# KiCad board ulx4m_panel.kicad_pcb (continued)
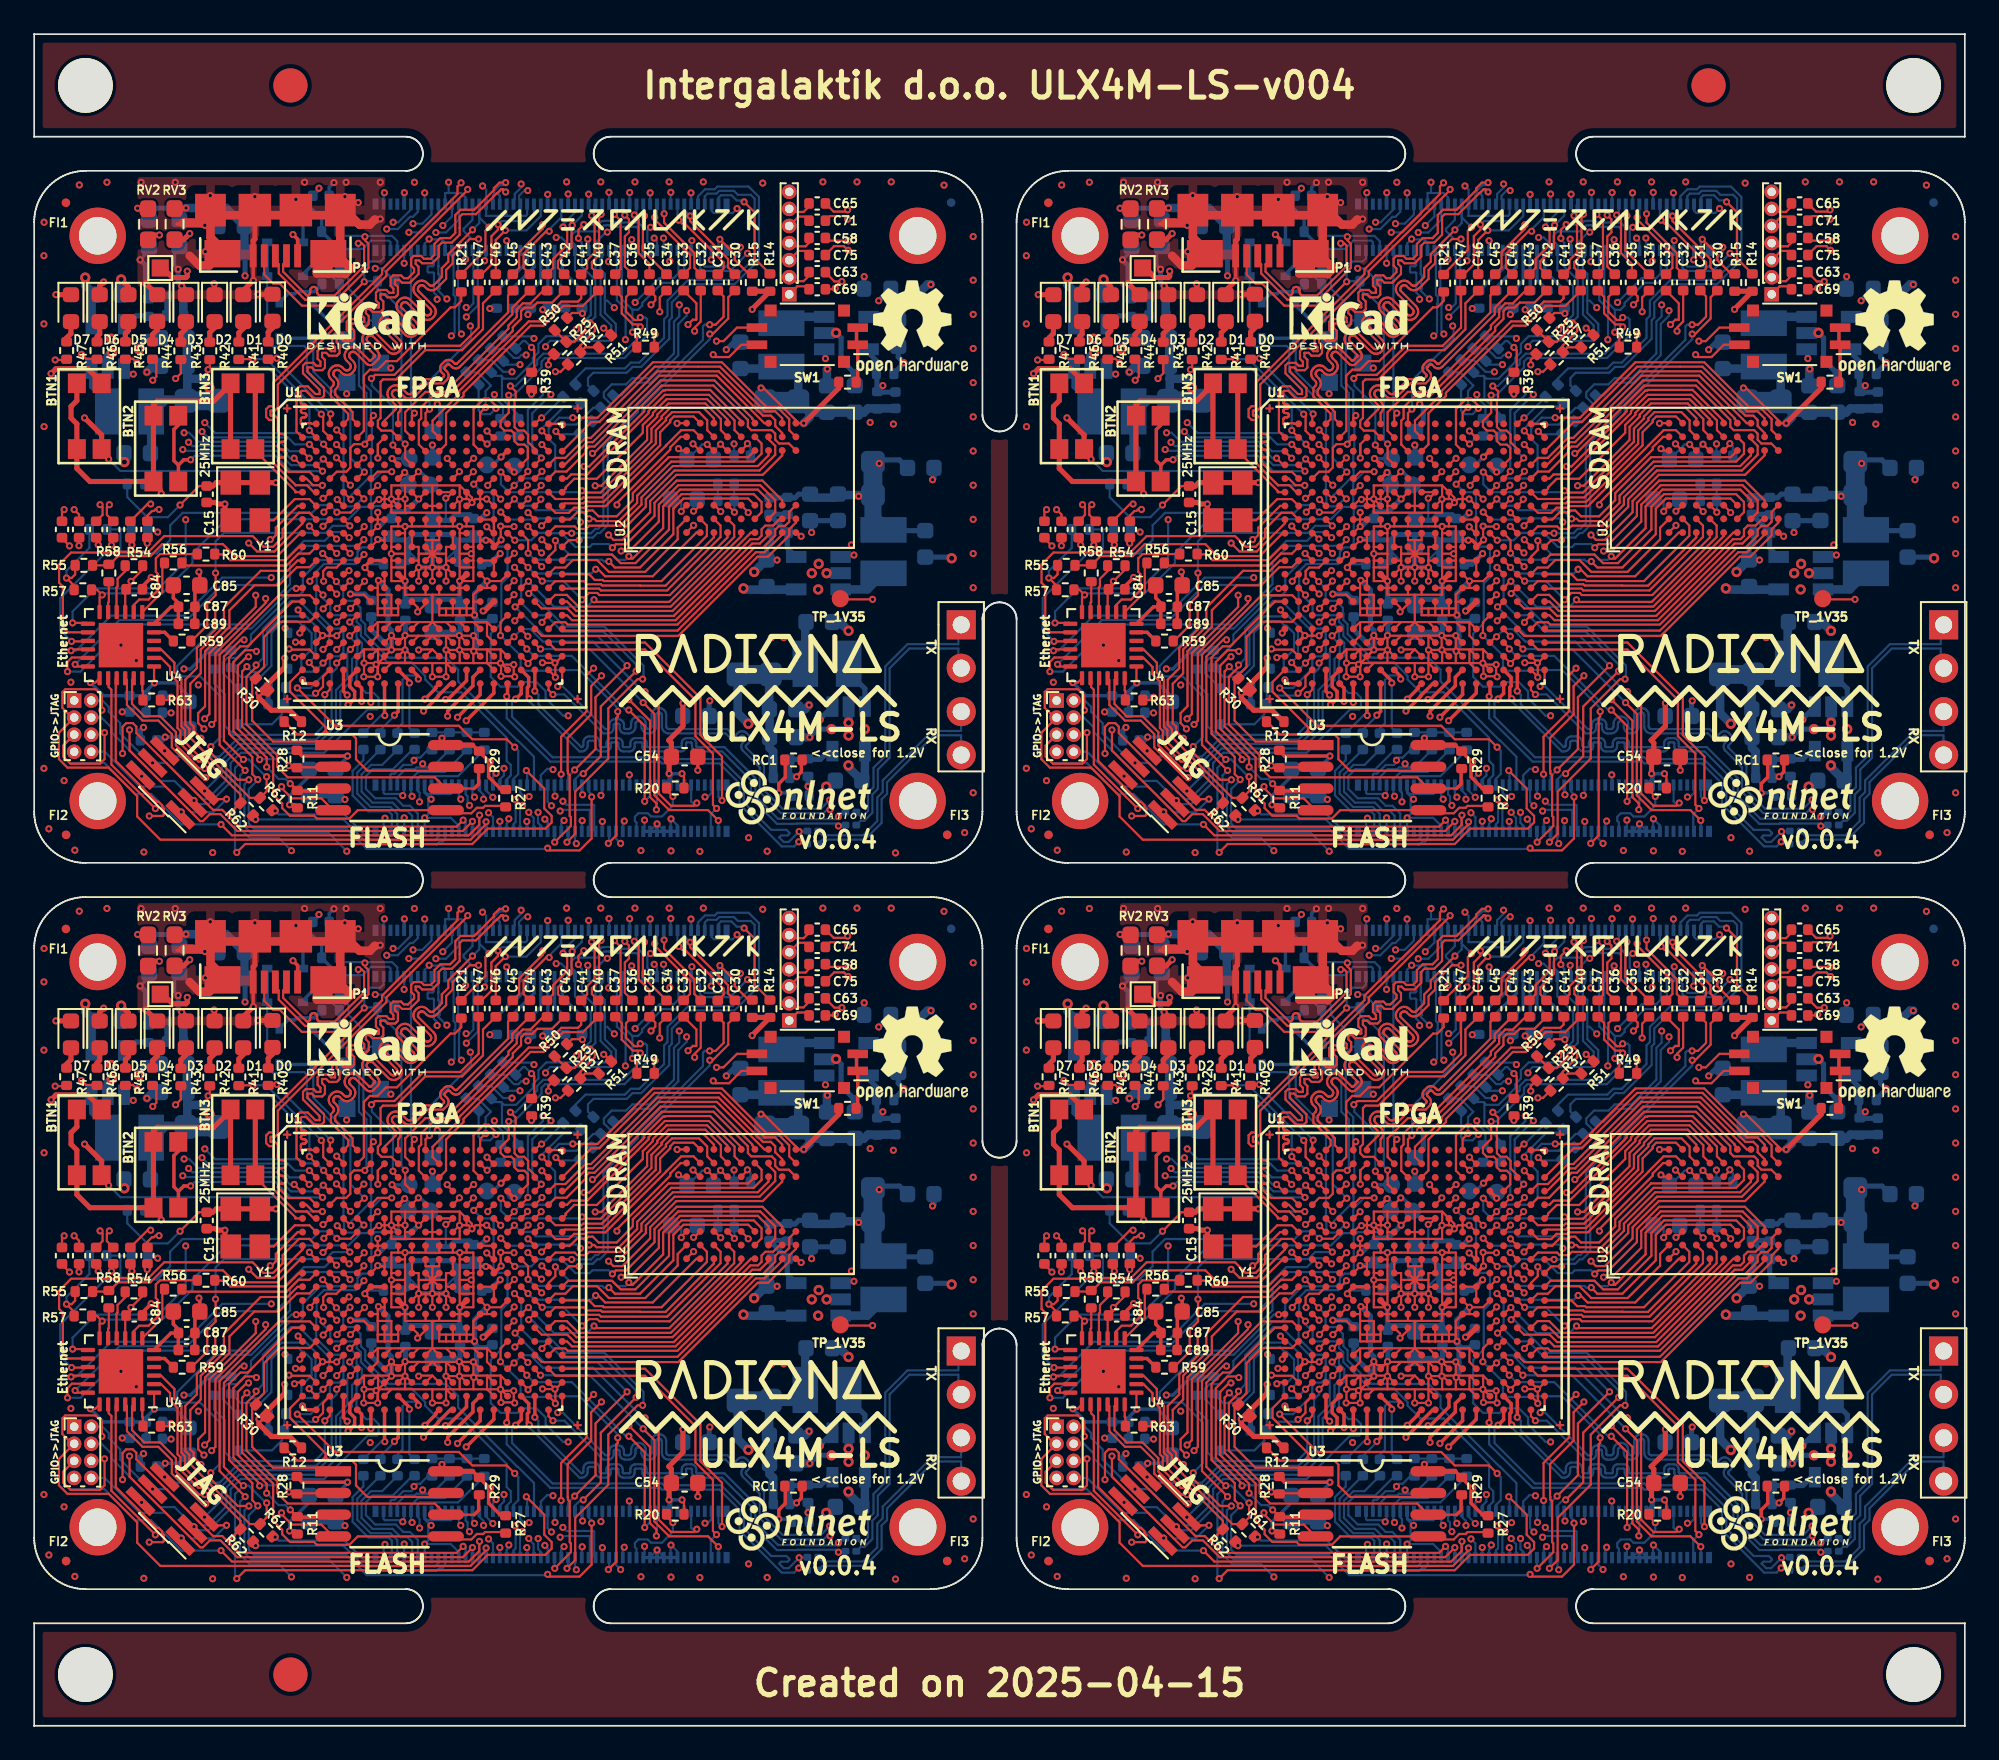
[diagram p0: board, top side]
## Routing (per net, layer and track width the routed paths; a pad name or vN(x,y) marks a point on that pad's centre or on a via; arc(x,y) is an arc through that point) (continued)
Board_3-PCIe_TX_P: length 34.6
  Top w0.127: v1(64.82,28.69) 64.61,28.69 64.52,28.6 64.41,28.6 64.14,28.33 C55#2.1
  In2signal.Cu w0.127: v1(81.43,45.3) 81.43,44.12 81.58,43.97 81.78,43.97 81.93,43.82 81.78,43.67 81.58,43.67 81.43,43.52 81.43,41.98 77.39,37.93 77.39,37.92 76.89,37.43 76.5,37.43 72.58,33.5 72.57,33.5 72.58,33.49 72.68,33.39 72.71,33.35 72.74,33.29 72.75,33.24 72.75,33.18 72.74,33.13 72.71,33.08 72.68,33.03 72.46,32.82 72.42,32.78 72.37,32.76 72.31,32.75 72.26,32.75 72.2,32.76 72.15,32.78 72.11,32.82 72.01,32.92 72,32.92 71.99,32.92 71.97,32.89 71.96,32.87 71.95,32.83 71.95,32.8 71.96,32.77 71.97,32.74 71.99,32.71 72.3,32.41 72.35,32.34 72.39,32.27 72.41,32.18 72.41,32.1 72.39,32.02 72.35,31.94 72.3,31.87 72.26,31.84 72.2,31.79 72.12,31.75 72.04,31.73 71.95,31.73 71.87,31.75 71.79,31.79 71.72,31.84 71.42,32.14 71.4,32.16 71.37,32.18 71.33,32.18 71.3,32.18 71.27,32.18 71.24,32.16 71.21,32.14 71.19,32.12 71.18,32.09 71.17,32.06 71.17,32.02 71.18,31.99 71.19,31.96 71.21,31.94 71.66,31.49 71.71,31.43 71.75,31.35 71.77,31.27 71.77,31.18 71.75,31.1 71.71,31.02 71.66,30.95 71.63,30.92 71.56,30.87 71.48,30.83 71.4,30.81 71.31,30.81 71.23,30.83 71.15,30.87 71.09,30.92 70.64,31.36 70.62,31.39 70.59,31.4 70.56,31.41 70.52,31.41 70.49,31.4 70.46,31.39 70.44,31.36 70.42,31.34 70.4,31.31 70.4,31.28 70.4,31.25 70.4,31.21 70.42,31.18 70.44,31.16 70.88,30.71 70.93,30.65 70.97,30.57 70.99,30.49 70.99,30.4 70.97,30.32 70.93,30.24 70.88,30.18 70.85,30.14 70.78,30.09 70.71,30.05 70.62,30.03 70.54,30.03 70.45,30.05 70.38,30.09 70.31,30.14 69.87,30.59 69.84,30.61 69.81,30.62 69.78,30.63 69.75,30.63 69.71,30.62 69.68,30.61 69.66,30.59 68.44,29.37 66.74,29.37 66.57,29.19 66.44,29.19 66.27,29.37 65.86,29.37 65.27,28.78 64.91,28.78 v1(64.82,28.69)
  Bottom w0.127: v1(81.43,45.3) 81.97,45.84 J2.22
Board_3-PWRBTn: length 20.8
  Top w0.2: U1.E8 78.84,30.5 v1(79.2,30.86)
  Bottom w0.127: TP_E8#2.1 78.84,29.58 78.84,29.16 78.57,28.89 77.47,28.89 77.25,28.67 77.25,26.65 77.06,26.47 76.71,26.47 76.45,26.21 76.44,26.21 76.44,25.96 76.21,25.73 74.25,25.73 73.24,24.72 73.24,23.87 ; 73.24,23.87 73.01,23.64 72.48,23.64 70.2,21.36 70.2,20.82 69.38,20 68.81,20 68.56,19.74 68.56,19.11 D28#3.1 ; 73.24,23.87 73.24,23.85
  Bottom w0.2: TP_E8#2.1 79.41,30.65 v1(79.2,30.86)
Board_3-RGMII_REF_CLK: length 22.6
  Top w0.127: U4#4.14 59.49,21.5 59.19,21.8 59.19,24.21 59.16,24.21 58.97,24.4 58.97,25.47 59.67,26.17 62.27,26.17 62.31,26.21 64.2,26.21 65.12,27.13 70.3,27.13 70.92,26.51 71.5,26.51 72.06,27.06 72.06,27.54 73.01,28.5 73.62,28.5 U1.H2
Board_3-RGMII_RX_DV: length 13.6
  Top w0.127: R55#4.2 61.82,25.42 R58#3.1 61.94,25.48 62.42,25.96 64.31,25.96 65.01,26.66 65.98,26.66 65.98,26.66 68.56,26.66 69.26,25.96 71.74,25.96 73.08,27.3 U1.J1
Board_3-RGMII_RXD0: length 5.6
  Top w0.127: U1.K1 73.01,26.5 72.23,25.72 68.99,25.72 68.65,26.06 68.1,26.06 R60#2.2
Board_3-RGMII_RXD1: length 8.4
  Top w0.127: U1.K2 73.63,26.11 72.98,26.11 72.28,25.41 66.31,25.41 R56#4.2
Board_3-RGMII_TX_CLK: length 15.2
  Top w0.127: R59.2 66.72,20.99 67.64,21.91 67.64,23.17 68.13,23.66 68.13,24.97 v1(68.13,24.97) ; v1(75.99,27.73) U1.H4
  Bottom w0.127: v1(75.99,27.73) 74.99,27.73 74.58,27.32 68.62,27.32 68.13,26.82 v1(68.13,24.97)
Board_3-RGMII_TX_EN: length 19.8
  Top w0.127: v1(59.67,20.42) 59.75,20.5 U4#4.16 ; v1(75.22,26.12) 75.2,26.12 U1.K3
  In2signal.Cu w0.127: v1(75.22,26.12) 74.93,26.12 74.56,26.49 73.18,26.49 v1(71.39,24.7)
  Bottom w0.127: v1(71.39,24.7) 68.52,24.7 66.3,22.48 62.02,22.48 59.97,20.42 v1(59.67,20.42)
Board_3-RGMII_TXD0: length 23.8
  Top w0.127: v1(76.81,26.92) 76.81,26.89 U1.K5 ; v1(59.46,19.2) 59.46,19.77 59.72,20.02 60.63,20.02 U4#4.17
  Bottom w0.127: v1(76.81,26.92) 76.44,26.56 73.44,26.56 72.49,25.61 72.49,24.32 70.13,21.96 62.98,21.96 60.22,19.2 v1(59.46,19.2)
Board_3-RGMII_TXD1: length 21.2
  Top w0.127: U1.J4 75.88,27.04 v1(75.95,27.04) ; U4#4.18 60.04,19.5 v1(59.91,19.62)
  Bottom w0.127: v1(59.91,19.62) 62.5,22.22 66.45,22.22 68.5,24.27 71.65,24.27 72.18,24.8 72.18,25.73 73.3,26.85 74.51,26.85 75.03,27.37 75.62,27.37 v1(75.95,27.04)
Board_3-RUN_PG: length 20.1
  Top w0.127: v1(85.61,21.24) 85.56,21.24 U1.U16 ; v1(93.27,18.02) 94.07,17.22 94.07,12.07 94.79,11.35 96.14,11.35 v1(96.3,11.51)
  Bottom w0.127: v1(93.27,18.02) 93.15,18.02 90.22,20.96 87.29,20.96 86.56,21.69 86.05,21.69 v1(85.61,21.24) ; v1(96.3,11.51) 96.29,11.49 96.07,11.49 95.97,11.59 J1#3.92
Board_3-SCL0: length 14.8
  Top w0.127: v1(92.32,16.95) 93.25,16.02 v1(93.25,11.6) ; v1(86.35,20.52) 86.35,20.56 U1.U17
  Bottom w0.127: v1(92.32,16.95) 92.15,16.95 88.98,20.12 86.76,20.12 v1(86.35,20.52) ; v1(93.25,11.6) 93.57,11.92 J1#3.80
Board_3-SD_CLK: length 45.5
  Top w0.127: v1(71.33,26.93) 71.35,26.91 71.38,26.91 71.66,27.18 71.66,27.62 72.94,28.9 U1.G1 ; v1(68.11,22.94) 68.11,21.66 67.03,20.58 67.03,19.4 66.36,18.72 66.36,16.08 66.6,15.84 66.6,15.37 67.55,14.42 67.88,14.42 69.43,12.87 v1(70.08,12.87)
  In2signal.Cu w0.127: v1(75.81,8.69) 75.91,8.79 86.9,8.79 87.71,9.6 88.95,9.6 89.25,9.3 v1(89.25,9.13) ; v1(71.33,26.93) 71.33,26.89 68.11,23.67 v1(68.11,22.94)
  Bottom w0.127: J1#3.57 89.17,9.21 v1(89.25,9.13) ; v1(75.81,8.69) 74.75,9.75 70.2,9.75 69.82,10.13 69.82,10.84 69.82,12.6 v1(70.08,12.87)
Board_3-SD_CMD: length 40.5
  Top w0.127: v1(87.57,8.87) 87.7,8.73 89.44,8.73 90.14,9.44 v1(90.14,11.86) ; U1.P1 72.63,23.3 70.01,20.68 69.58,20.68 68.92,20.02 68.92,15.56 70.28,14.21 70.28,13.2 v1(70.6,12.88)
  Bottom w0.127: v1(70.6,12.88) 70.6,12.85 70.07,12.32 70.07,10.3 70.38,10 75.8,10 76.98,8.82 87.52,8.82 v1(87.57,8.87) ; v1(90.14,11.86) 90.14,12.01 89.97,12.18 J1#3.62
Board_3-SD_D0: length 28.7
  Top w0.127: U1.B15 84.4,32.9 v1(84.02,33.28)
  In2signal.Cu w0.127: v1(88.46,11.61) 88.46,12.15 88.08,12.52 87.86,12.52 87.48,12.9 87.48,17.03 87.48,17.04 87.48,18.34 86.56,19.26 86.18,19.26 85.99,19.45 85.99,19.83 85.21,20.61 85.21,21.51 84.71,22.01 84.71,23.12 83.55,24.27 83.55,29.4 83.64,29.49 83.64,30.31 83.9,30.57 83.91,30.57 83.91,31.97 83.46,32.42 83.46,32.72 v1(84.02,33.28)
  Bottom w0.127: J1#3.63 90.29,9.92 90.29,11.36 90.25,11.4 88.67,11.4 v1(88.46,11.61)
Board_3-SD_D1: length 19.4
  Top w0.127: v1(91.12,9.15) 91.58,9.61 91.58,16.47 91.67,16.56 v1(91.67,16.86) ; U1.R16 84.81,22.09 84.81,21.31 v1(84.81,21.31)
  Bottom w0.127: v1(84.81,21.31) 85.98,20.13 85.98,19.3 86.04,19.25 87.64,19.25 87.68,19.29 89.44,19.29 91.67,17.05 v1(91.67,16.86) ; v1(91.12,9.15) 91.17,9.19 J1#3.67
Board_3-SD_D2: length 29
  Top w0.127: v1(83.24,30.17) 83.57,30.5 U1.E14
  In2signal.Cu w0.127: v1(88.77,16.62) 91.63,13.75 91.63,9.35 v1(91.84,9.15)
  Bottom w0.127: J1#3.69 91.57,9.42 v1(91.84,9.15) ; v1(88.77,16.62) 88.47,16.62 87.45,17.64 87.45,18.05 86.92,18.58 86.07,18.58 85.8,18.32 84.81,18.32 84.24,18.89 84.24,21.41 84.86,22.03 84.86,24.35 85.22,24.71 85.22,26.33 85.04,26.51 84.65,26.51 84.41,26.76 84.41,29.49 84.2,29.7 83.71,29.7 v1(83.24,30.17)
Board_3-SD_D3: length 41.7
  Top w0.127: U1.P2 73.65,23.67 71.85,23.67 68.36,20.18 68.36,14.91 v1(69.86,13.42)
  In2signal.Cu w0.127: v1(88.3,11.04) 88.3,10.85 88.13,10.68 88.13,10.4 86.8,9.08 72.93,9.08 v1(72.57,8.72)
  Bottom w0.127: J1#3.61 90.04,9.92 90.04,11.1 90.04,11.1 88.37,11.1 v1(88.3,11.04) ; v1(69.86,13.42) 69.56,13.12 69.56,10.02 70.13,9.46 71.83,9.46 v1(72.57,8.72)
Board_3-SD_PWR_ON: length 29.5
  Top w0.127: v1(94.9,11.89) 94.53,12.26 R20#3.1 ; U1.E15 84.06,30.14 v1(84.06,30.1)
  In2signal.Cu w0.127: v1(94.9,11.89) 94.6,11.89 93.56,12.93 93.56,14.06 88.34,19.28 87.02,19.28 86.86,19.44 86.86,19.81 86.6,20.07 86.23,20.07 85.95,20.35 85.95,20.71 86.01,20.77 86.01,21.46 85.76,21.71 85.48,21.71 84.99,22.2 84.99,23.26 84.65,23.6 84.65,24.6 84.18,25.07 84.18,26.11 84.41,26.33 84.41,29.75 v1(84.06,30.1)
  Bottom w0.127: J1#3.75 92.77,10.36 92.67,10.46 92.67,10.7 92.88,10.91 93.43,10.91 93.62,10.72 94.26,10.72 94.9,11.35 v1(94.9,11.89)
Board_3-SDA0: length 16.6
  Top w0.127: 86.02,21.67 U1.T17 86.02,21.65 v1(86.41,21.26) ; v1(92.32,17.57) 93.56,16.32 93.56,11.86 93.93,11.48 v1(93.93,11.12)
  In2signal.Cu w0.127: v1(92.32,17.57) 90.72,17.57 87.32,20.96 86.71,20.96 v1(86.41,21.26)
  Bottom w0.127: v1(93.93,11.12) 93.97,11.15 J1#3.82
Board_3-SDRAM_A0: length 20.6
  Top w0.127: 85.22,28.14 U1.H16 85.22,28.14 ; 85.22,28.14 v1(84.82,28.53) ; U2#4.H7 101.3,31.85 100.16,30.71 95.1,30.71 93.57,29.18 93.57,28.53 91.95,26.91 91.42,26.91 v1(91.14,27.19)
  In2signal.Cu w0.127: v1(89.49,27.95) 90.24,27.19 v1(91.14,27.19)
  Bottom w0.127: v1(89.49,27.95) 89.27,28.16 87.06,28.16 87,28.1 85.26,28.1 v1(84.82,28.53)
Board_3-SDRAM_A1: length 17.9
  Top w0.127: U2#4.H8 101.3,33.16 100.89,33.57 100.89,33.92 100.64,34.18 100.17,34.18 97.58,36.77 94,36.77 90.1,32.88 89.78,32.88 88.61,31.71 88.03,31.71 U1.D19
Board_3-SDRAM_A2: length 24.3
  Top w0.127: v1(85.61,30.1) 85.61,30.09 U1.F16 ; v1(89.04,34.06) 90.49,34.06 93.73,37.3 97.77,37.3 100.38,34.69 101,34.69 101.71,33.98 101.71,33.33 U2#4.J8
  Bottom w0.127: v1(85.61,30.1) 86.02,30.51 86.84,30.51 86.85,30.5 87.61,30.5 88.01,30.9 88.01,32.44 87.63,32.82 87.63,33.42 87.66,33.45 87.66,33.48 88.24,34.06 v1(89.04,34.06)
Board_3-SDRAM_A3: length 19.6
  Top w0.127: U2#4.J7 101.69,32.55 101.11,32.55 100.89,32.77 100.89,33.12 100.69,33.33 99.49,33.33 99.29,33.53 99.29,33.92 97.28,35.94 94.24,35.94 90.27,31.97 v1(90.19,31.97) ; v1(87.24,30.92) 87.24,30.91 U1.E18
  In2signal.Cu w0.127: v1(87.24,30.92) 88.29,31.97 v1(90.19,31.97)
Board_3-SDRAM_A4: length 18.1
  Top w0.127: U1.T19 88.01,22.09 88.61,22.09 88.74,21.95 95.16,21.95 99.65,26.44 100.16,26.44 100.89,27.16 100.89,27.5 101.11,27.73 101.47,27.73 101.71,27.97 101.71,28.55 U2#4.J3
Board_3-SDRAM_A5: length 18.6
  Top w0.127: U2#4.J2 102.1,27.91 101.71,27.52 101.71,27.17 100.47,25.93 99.86,25.93 95.22,21.29 87.23,21.29 U1.T18
Board_3-SDRAM_A6: length 19.8
  Top w0.127: U1.J16 85.63,26.89 v1(85.65,26.89) ; U2#4.H3 101.3,29.22 100.14,30.38 95.13,30.38 93.82,29.07 93.82,28.31 92.17,26.65 91.56,26.65 v1(91.36,26.45)
  Bottom w0.127: v1(85.65,26.89) 86.61,26.89 87.04,27.32 87.42,27.32 87.45,27.29 88.39,27.29 89.19,26.49 90.02,26.49 90.19,26.66 91.14,26.66 v1(91.36,26.45)
Board_3-SDRAM_A7: length 17.4
  Top w0.127: U2#4.H2 101.16,28.14 100.77,27.75 100.31,27.75 100.09,27.52 100.09,27.15 99.89,26.95 99.44,26.95 94.95,22.46 89.15,22.46 88.72,22.89 87.22,22.89 U1.P18
Board_3-SDRAM_A8: length 15.4
  Top w0.127: U1.T20 88.52,21.6 95.17,21.6 99.76,26.18 100.27,26.18 101.3,27.22 U2#4.H1
Board_3-SDRAM_A9: length 17.4
  Top w0.127: v1(88.02,26.87) 88.02,26.32 87.62,25.92 U1.L19 ; U2#4.G3 100.5,29.22 99.87,29.85 95.31,29.85 94.33,28.86 94.33,27.6 92.55,25.82 92.45,25.82 v1(92.32,25.94)
  Bottom w0.127: v1(92.32,25.94) 92.11,25.73 91.63,25.73 91.32,26.05 88.84,26.05 v1(88.02,26.87)
Board_3-SDRAM_A10: length 16.5
  Top w0.127: U1.C20 90.13,33.8 90.6,33.8 93.84,37.04 97.66,37.04 100.27,34.43 100.89,34.43 101.3,34.02 U2#4.H9
Board_3-SDRAM_A11: length 18.5
  Top w0.127: U2#4.G2 100.89,28.53 100.89,29.23 100.01,30.11 95.21,30.11 94.08,28.97 94.08,27.97 92.47,26.37 91.99,26.37 v1(91.87,26.25) ; U1.K19 87.62,26.53 v1(87.23,26.92)
  In2signal.Cu w0.127: v1(91.87,26.25) 91.67,26.05 88.1,26.05 v1(87.23,26.92)
Board_3-SDRAM_A12: length 14.4
  Top w0.127: U1.R20 88.7,22.5 88.99,22.2 95.06,22.2 99.55,26.69 99.99,26.69 100.5,27.2 U2#4.G1
Board_3-SDRAM_BA0: length 15.4
  Top w0.127: U1.J19 88.02,27.69 89.15,27.69 89.3,27.55 89.82,27.55 90.01,27.74 91.83,27.74 93.06,28.97 93.06,29.39 94.9,31.23 99.87,31.23 100.5,31.85 U2#4.G7
Board_3-SDRAM_BA1: length 21.4
  Top w0.127: v1(91.66,27.33) 91.8,27.33 93.32,28.84 93.32,29.29 95,30.97 99.97,30.97 100.89,31.89 100.89,32.41 100.5,32.8 U2#4.G8 ; U1.L16 85.22,25.72 v1(85.62,26.12)
  In2signal.Cu w0.127: v1(91.66,27.33) 90.09,28.91 89.36,28.91 88.68,28.23 88.68,28.14 87.04,28.14 86.82,27.92 86.81,27.92 86.81,27.31 v1(85.62,26.12)
Board_3-SDRAM_CKE: length 17.7
  Top w0.127: U2#4.F3 99.31,29.33 95.52,29.33 94.93,28.73 94.93,27.24 92.97,25.29 91.51,25.29 v1(91.15,25.65) ; v1(86.42,26.13) 86.42,26.89 U1.J17
  Bottom w0.127: v1(86.42,26.13) 86.81,25.74 90.76,25.74 90.85,25.65 v1(91.15,25.65)
Board_3-SDRAM_CLK: length 15.8
  Top w0.127: U1.L20 88.77,26.05 91.34,26.05 91.84,25.54 92.71,25.54 94.67,27.51 94.67,28.85 95.41,29.58 99.63,29.58 100.09,29.12 100.09,28.53 U2#4.F2
Board_3-SDRAM_D0: length 12.5
  Top w0.127: v1(86.41,27.7) 86.42,27.7 U1.J18 ; v1(91.63,28.96) 91.63,29.07 94.75,32.2 94.75,32.33 95.36,32.94 U2#4.A8
  In2signal.Cu w0.127: v1(86.41,27.7) 86.41,27.9 87.11,28.6 88.69,28.6 89.28,29.19 91.39,29.19 v1(91.63,28.96)
Board_3-SDRAM_D1: length 10.9
  Top w0.127: U1.G20 88.57,29.04 89.66,29.04 89.75,29.13 90.85,29.13 94.15,32.44 94.15,33.21 94.75,33.8 94.75,33.92 94.95,34.13 96.11,34.13 U2#4.B9
Board_3-SDRAM_D2: length 11.2
  Top w0.127: U1.G19 88.03,28.49 88.81,28.49 89.11,28.79 89.76,28.79 89.85,28.88 90.95,28.88 94.51,32.44 94.51,32.45 95.39,33.33 96.11,33.33 U2#4.B8
Board_3-SDRAM_D3: length 17.2
  Top w0.127: U2#4.C9 97.3,34.02 96.68,34.63 94.74,34.63 94.24,34.13 94.24,34.01 93.65,33.42 93.65,32.65 90.67,29.68 89.69,29.68 v1(89.58,29.78) ; U1.E16 84.84,30.88 v1(84.83,30.88)
  Bottom w0.127: v1(84.83,30.88) 84.83,30.16 85.29,29.7 86.33,29.7 86.34,29.71 86.61,29.71 86.62,29.7 89.5,29.7 v1(89.58,29.78) 89.58,29.71 89.56,29.69
Board_3-SDRAM_D4: length 13.4
  Top w0.127: U2#4.C8 96.91,33.33 96.91,33.9 96.43,34.38 94.85,34.38 94.49,34.02 94.49,33.91 93.9,33.31 93.9,32.54 90.74,29.39 89.64,29.39 89.55,29.3 88.02,29.3 U1.F19
Board_3-SDRAM_D5: length 13
  Top w0.127: U2#4.D9 98.1,33.95 96.91,35.14 94.53,35.14 93.73,34.34 93.73,34.22 93.14,33.63 93.14,33.17 90.45,30.48 89.13,30.48 88.62,29.98 88.62,29.9 U1.F20
Board_3-SDRAM_D6: length 16.8
  Top w0.127: U2#4.D8 97.71,33.33 97.71,33.98 96.8,34.89 94.64,34.89 93.98,34.23 93.98,34.12 93.39,33.52 93.39,32.75 90.71,30.08 v1(90.35,30.08) ; U1.H18 v1(86.42,28.5)
  In2signal.Cu w0.127: v1(86.42,28.5) 86.78,28.86 88.07,28.86 89.5,30.29 90.14,30.29 v1(90.35,30.08)
Board_3-SDRAM_D7: length 15.6
  Top w0.127: v1(87.19,30.1) 87.19,30.07 U1.F18 ; U2#4.E9 98.9,33.87 97.08,35.68 94.47,35.68 94.44,35.65 94.32,35.65 93.22,34.55 93.22,34.43 92.63,33.84 90,31.21 v1(89.7,31.21)
  In2signal.Cu w0.127: v1(87.19,30.1) 87.19,30.14 88.36,31.31 89.6,31.31 v1(89.7,31.21)
Board_3-SDRAM_D8: length 13.6
  Top w0.127: U1.P19 88.01,23.69 88.69,23.69 89.38,23 94.77,23 98.9,27.13 U2#4.E1
Board_3-SDRAM_D9: length 16.3
  Top w0.127: U2#4.D2 98.49,27.75 98.49,27.07 94.69,23.28 90.41,23.28 v1(90.28,23.4) ; v1(86.44,24.48) 86.41,24.48 U1.N17
  Bottom w0.127: v1(86.44,24.48) 87.94,22.99 89.87,22.99 v1(90.28,23.4)
Board_3-SDRAM_D10: length 13.8
  Top w0.127: v1(89.59,23.4) 89.99,23.8 90.48,23.8 90.6,23.68 94.72,23.68 98.1,27.05 U2#4.D1 ; 87.21,24.5 87.25,24.5 v1(87.25,24.49) 87.22,24.49 U1.M18
  Bottom w0.127: v1(87.25,24.49) 88.5,24.49 v1(89.59,23.4)
Board_3-SDRAM_D11: length 11.9
  Top w0.127: U1.N20 88.46,24.05 90.58,24.05 90.69,23.95 94.56,23.95 97.69,27.08 97.69,27.75 U2#4.C2
Board_3-SDRAM_D12: length 11.4
  Top w0.127: U1.N19 88.01,24.49 89.7,24.49 89.88,24.31 90.69,24.31 90.76,24.24 92.98,24.24 92.99,24.23 94.47,24.23 97.3,27.05 U2#4.C1
Board_3-SDRAM_D13: length 10.9
  Top w0.127: U1.M20 89.99,24.9 90.32,24.56 90.79,24.56 90.86,24.5 94.24,24.5 96.89,27.15 96.89,27.75 U2#4.B2
Board_3-SDRAM_D14: length 10.4
  Top w0.127: U2#4.A2 95.18,27.62 95.18,26.94 93.28,25.04 91.15,25.04 90.46,25.73 89.05,25.73 88.61,25.29 88.01,25.29 U1.M19
Board_3-SDRAM_D15: length 12.1
  Top w0.127: U2#4.B1 96.28,27.34 93.72,24.78 90.93,24.78 90.52,25.19 v1(90.38,25.19) ; U1.L17 v1(86.42,25.3)
  Bottom w0.127: v1(90.38,25.19) 90.13,24.94 86.78,24.94 v1(86.42,25.3)
Board_3-SDRAM_DQM0: length 13.9
  Top w0.127: U2#4.E8 98.51,33.33 98.51,33.9 97.01,35.4 94.43,35.4 93.48,34.44 93.48,34.33 89.89,30.74 88.94,30.74 88.7,30.5 U1.E20
Board_3-SDRAM_DQM1: length 13.4
  Top w0.127: U1.P20 88.7,23.3 89.25,22.75 94.88,22.75 99.47,27.34 U2#4.F1
Board_3-SDRAM_nCAS: length 13.5
  Top w0.127: U2#4.F7 99.31,31.75 94.66,31.75 92.55,29.64 92.55,29.23 91.61,28.29 90.55,28.29 90.21,28.63 89.96,28.63 89.85,28.52 89.29,28.52 88.87,28.1 U1.H20
Board_3-SDRAM_nCS: length 15.4
  Top w0.127: U2#4.G9 100.25,33.74 97.47,36.52 94.1,36.52 90.21,32.62 89.89,32.62 88.56,31.3 U1.D20
Board_3-SDRAM_nRAS: length 18.6
  Top w0.127: U2#4.F8 100.09,32.55 100.09,31.95 99.63,31.49 94.8,31.49 92.81,29.5 92.81,29.07 91.74,28.01 90.43,28.01 90.3,28.14 v1(90,28.14) ; U1.G16 v1(85.62,29.3)
  Bottom w0.127: v1(90,28.14) 89.5,28.64 86.88,28.64 86.61,28.91 86.01,28.91 v1(85.62,29.3)
Board_3-SDRAM_nWE: length 15.7
  Top w0.127: U2#4.F9 99.7,33.83 99.54,33.98 99.54,34.03 97.33,36.24 94.18,36.24 90.31,32.37 89.99,32.37 89.79,32.17 89.79,32.03 88.67,30.91 88.03,30.91 U1.E19
Board_3-SRCLK1N: length 1.4
  Top w0.127: C69#2.2 102.7,41.75 102.18,41.75 J5#3.1
Board_3-SRCLK1P: length 1.6
  Top w0.127: J5#3.2 101.94,42.05 102.55,42.05 102.87,42.37 C63.1
Board_3-SRX11N: length 1.5
  Top w0.127: C71#2.2 102.63,45.83 102.26,45.83 J5#3.5
Board_3-SRX11P: length 1.5
  Top w0.127: J5#3.6 101.89,46.1 102.55,46.1 102.87,46.42 C65#4.1
Board_3-STX11N: length 1.5
  Top w0.127: J5#3.3 102.25,43.82 102.63,43.82 C75#2.2
Board_3-STX11P: length 1.6
  Top w0.127: C58#4.1 102.87,44.3 102.66,44.09 101.9,44.09 J5#3.4
Board_3-SW1: length 24.2
  Top w0.127: v1(97.26,37.75) 97.4,37.61 98.19,37.61 98.91,38.33 SW1#2.4 ; v1(87.22,25.34) 86.86,25.7 U1.L18
  In2signal.Cu w0.127: v1(87.22,25.34) 89.24,25.34 89.88,24.7 92.58,24.7 93.33,25.45 93.33,34.04 97.04,37.75 v1(97.26,37.75)
Board_3-SW2: length 24.4
  Top w0.127: U1.K18 87.17,26.14 v1(87.21,26.14) ; SW1#2.3 98.65,39.33 97.86,38.54 v1(97.45,38.54)
  In2signal.Cu w0.127: v1(87.21,26.14) 87.74,25.62 90.53,25.62 91,25.15 92.61,25.15 93.08,25.61 93.08,34.16 v1(97.45,38.54)
Board_3-US2_ID: length 23.1
  Top w0.127: U1.D9 79.23,31.69 v1(79.23,32.52) ; 70.98,43.23 70.98,42.43 71.5,41.91 71.89,41.91 73.18,40.61 75.43,40.61 v1(76.83,42.01)
  Bottom w0.127: J2.1 77.97,43.39 77.78,43.2 77.18,43.2 76.83,42.85 v1(76.83,42.01) 76.87,42.05 R19#2.1 77.61,41.58 77.89,41.3 78.09,41.3 79.01,40.38 79.01,32.74 v1(79.23,32.52)
Board_3-USB_FPGA_D+: length 23.1
  Top w0.127: U1.A6 77.22,34.04 v1(77.37,34.19) ; v1(76.05,29.28) 76.03,29.28 U1.F4
  Bottom w0.127: 74.87,44.05 74.87,43.66 75.38,43.15 R5.2 75.38,42.71 75.91,42.18 75.91,41.62 D8#2.1 77.15,39.75 76.78,39.37 76.78,36.07 77.22,35.63 77.22,34.33 v1(77.37,34.19) 77.28,34.1 77.28,31.96 77.22,31.9 77.22,31.02 77.24,31 77.24,30.69 76.05,29.5 v1(76.05,29.28)
  Bottom w0.2: R4#2.2 72.89,46.38 73.64,46.38 74.34,45.69 R2.2 74.87,44.42 74.87,44.05
Board_3-USB_FPGA_D-: length 16.7
  Top w0.127: U1.B6 76.87,32.54 v1(76.87,32.51) 76.23,32.51 76.02,32.29 76.02,31.14 75.78,30.9 75.22,30.9 U1.E3
  Bottom w0.127: R1#4.2 74.35,43.82 74.82,43.35 74.82,42.44 R7#3.2 ; v1(76.87,32.51) 76.96,32.6 76.96,35.5 76.52,35.94 76.52,37.93 D9#2.1 75.87,38.68 75.87,40.39 R6#4.2
  Bottom w0.2: R6#4.2 75.36,41.87 R7#3.2
Board_3-USB_FPGA_PULL_D+: length 20.3
  Top w0.127: v1(76.81,29.31) 76.81,29.31 U1.F5
  Bottom w0.127: D11.1 71.15,38.55 71.48,38.22 72.24,38.22 72.28,38.26 73.32,38.26 73.47,38.11 73.47,36.76 75.62,34.61 75.62,29.51 75.65,29.48 75.65,28.88 75.66,28.87 76.27,28.87 76.71,29.31 v1(76.81,29.31)
  Bottom w0.2: D11.1 D10#4.2
Board_3-USB_FPGA_PULL_D-: length 11.6
  Top w0.127: U1.E5 76.8,30.88 v1(76.84,30.88)
  Bottom w0.127: v1(76.84,30.88) 76.02,31.7 76.02,34.59 73.85,36.76 73.85,38.68 D12.2
  Bottom w0.2: D12.2 73.82,38.71 D13#4.1
Board_3-USB_N: length 13.2
  Top w0.127: 72.28,43.23 72.08,43.03 72.08,42.6 73.47,41.21 73.52,41.22 73.56,41.23 73.6,41.26 73.63,41.29 73.65,41.33 73.67,41.37 73.67,41.41 73.67,41.51 73.68,41.56 73.69,41.6 73.72,41.64 73.75,41.67 73.79,41.69 73.83,41.71 73.87,41.71 73.92,41.71 73.96,41.69 74,41.67 74.03,41.64 74.05,41.6 74.07,41.56 74.07,41.51 74.07,41.41 74.08,41.37 74.09,41.33 74.12,41.29 74.15,41.26 74.19,41.23 74.23,41.22 74.27,41.21 75.11,41.21 76.82,42.93 76.82,44.13 76.69,44.26 v1(76.48,44.26)
  Bottom w0.127: 78.37,43.7 78.37,44.33 78.28,44.42 77.23,44.42 76.75,43.94 76.44,43.94 ; 76.44,43.94 R1#4.1 ; 76.44,43.94 76.48,43.98 v1(76.48,44.26)
Board_3-USB_P: length 13.7
  Top w0.127: 71.63,43.23 71.83,43.03 71.83,42.5 73.37,40.96 75.21,40.96 77.08,42.82 77.08,44.23 76.87,44.44 v1(76.87,44.65)
  Bottom w0.127: R2.1 75.61,44.7 78.46,44.7 78.77,44.39 78.77,43.7
Board_3-USER_PROGRAMN: length 6.9
  Top w0.127: v3(75.94,25.11) 75.73,24.9 U1.M4
  In2signal.Cu w0.127: v3(72.2,21.74) 72.54,22.08 72.54,23.04 72.78,23.28 74.63,23.28 74.82,23.47 74.82,24.42 74.83,24.43 74.83,24.59 74.84,24.6 74.84,24.84 75.11,25.11 v3(75.94,25.11)

## Copper pours and planes (outline as drawn; the poured copper is in the pictures)
(no net) on Top: 89.85,50 80.68,50 80.68,49 89.85,49
(no net) on Top: 21.76,5.5 0.5,5.5 0.5,0.5 112.52,0.5 112.52,5.5 91.26,5.5 89.85,7.5 80.68,7.5 79.27,5.5 33.75,5.5 32.34,7.5 23.17,7.5
(no net) on Top: 57.01,66.17 57.01,75.34 56.01,75.34 56.01,66.17
(no net) on Top: 23.17,49 32.34,49 32.34,50 23.17,50
(no net) on Top: 57.01,23.67 57.01,32.84 56.01,32.84 56.01,23.67
(no net) on Top: 0.5,93.5 21.76,93.5 23.17,91.5 32.34,91.5 33.75,93.5 79.27,93.5 80.68,91.5 89.85,91.5 91.26,93.5 112.52,93.5 112.52,98.5 0.5,98.5
(no net) on Bottom: 89.85,50 80.68,50 80.68,49 89.85,49
(no net) on Bottom: 21.76,5.5 0.5,5.5 0.5,0.5 112.52,0.5 112.52,5.5 91.26,5.5 89.85,7.5 80.68,7.5 79.27,5.5 33.75,5.5 32.34,7.5 23.17,7.5
(no net) on Bottom: 23.17,49 32.34,49 32.34,50 23.17,50
(no net) on Bottom: 0.5,93.5 21.76,93.5 23.17,91.5 32.34,91.5 33.75,93.5 79.27,93.5 80.68,91.5 89.85,91.5 91.26,93.5 112.52,93.5 112.52,98.5 0.5,98.5
(no net) on Bottom: 57.01,66.17 57.01,75.34 56.01,75.34 56.01,66.17
(no net) on Bottom: 57.01,23.67 57.01,32.84 56.01,32.84 56.01,23.67
Board_0-2V5_3V3 on POWER.Cu: 14.92,72.73 14.99,68.76 20.52,68.84 20.51,71.4 23.11,71.4 23.05,80.28 12.36,80.32 12.22,75.29
Board_0-+1V1 on POWER.Cu: 23.46,62.44 20.19,59.15 20.72,58.73 32.76,58.97 25.91,65.8 25.91,71.2 20.71,71.2 20.71,66 23.51,66
Board_0-+2V5 on POWER.Cu: 11.61,74.99 14.73,72.39 14.7,68.82 11.66,68.83
Board_0-+2V5 on POWER.Cu: 20.71,65.8 23.11,65.8 23.15,62.98 22.85,62.36 21.03,60.48 19.53,58.97 13.88,58.97
Board_0-+5V on POWER.Cu: 55.33,90.65 55.3,66.23 50.98,66.23 51.02,69.24 48.7,69.14 48.68,69.41 48.49,71.12 49.42,71.8 49.42,74.84 51.19,74.95 51.28,79.47 40.05,90.53
Board_0-+5V on POWER.Cu: 55.32,50.69 0.19,50.69 0.18,56.63 0.18,60.22 1.17,59.74 4.07,56.74 6.11,56.61 6.42,55.3 9.04,53.29 15.9,53.27 17.87,55.25 18.44,58.59 31.6,58.62 39.25,58.65 42.36,68.93 55.36,68.93
Board_0-CM4_3.3V on POWER.Cu: 0.15,80.95 0.2,64.19 0.2,60.43 0.97,60.43 4.79,56.85 5.62,56.88 6.44,56.83 6.5,56.05 7.01,55.49 9.23,53.58 15.43,53.6 18.32,58.68 13.39,58.76 13.41,59.55 20.29,65.9 20.29,68.5 11.49,68.5 11.49,80.5 23.49,80.5 23.49,71.5 26.09,71.5 26.09,66.1 33.23,58.93 38.94,59.04 42.2,69.11 48.22,69.11 48.22,71.47 49.08,71.89 49,75.13 50.49,75.12 50.84,75.4 50.8,79.49 39.39,90.62 0.22,90.71
Board_0-GND on Top: 20.55,83.34 6.05,83.39 6.05,90.64 20.55,90.63
Board_0-GND on GND1.Cu: 55.44,50.71 55.33,90.65 0.2,90.69 0.18,50.66
Board_0-GND on GND2.Cu: 55.42,50.71 55.3,90.64 0.2,90.57 0.24,50.78
Board_1-2V5_3V3 on POWER.Cu: 72.43,72.73 72.5,68.76 78.03,68.84 78.02,71.4 80.62,71.4 80.56,80.28 69.87,80.32 69.73,75.29
Board_1-+1V1 on POWER.Cu: 80.97,62.44 77.7,59.15 78.23,58.73 90.27,58.97 83.42,65.8 83.42,71.2 78.22,71.2 78.22,66 81.02,66
Board_1-+2V5 on POWER.Cu: 69.12,74.99 72.24,72.39 72.21,68.82 69.17,68.83
Board_1-+2V5 on POWER.Cu: 78.22,65.8 80.62,65.8 80.66,62.98 80.36,62.36 78.54,60.48 77.04,58.97 71.39,58.97
Board_1-+5V on POWER.Cu: 112.83,50.69 57.7,50.69 57.69,56.63 57.69,60.22 58.68,59.74 61.58,56.74 63.62,56.61 63.93,55.3 66.55,53.29 73.41,53.27 75.38,55.25 75.95,58.59 89.11,58.62 96.76,58.65 99.87,68.93 112.87,68.93
Board_1-+5V on POWER.Cu: 112.84,90.65 112.81,66.23 108.49,66.23 108.53,69.24 106.21,69.14 106.19,69.41 106,71.12 106.93,71.8 106.93,74.84 108.7,74.95 108.79,79.47 97.57,90.53
Board_1-CM4_3.3V on POWER.Cu: 57.66,80.95 57.71,64.19 57.71,60.43 58.48,60.43 62.3,56.85 63.13,56.88 63.95,56.83 64.01,56.05 64.52,55.49 66.74,53.58 72.94,53.6 75.83,58.68 70.9,58.76 70.92,59.55 77.8,65.9 77.8,68.5 69,68.5 69,80.5 81,80.5 81,71.5 83.6,71.5 83.6,66.1 90.74,58.93 96.45,59.04 99.72,69.11 105.73,69.11 105.73,71.47 106.59,71.89 106.51,75.13 108,75.12 108.35,75.4 108.31,79.49 96.9,90.62 57.73,90.71
Board_1-GND on Top: 78.06,83.34 63.56,83.39 63.56,90.64 78.06,90.63
Board_1-GND on GND1.Cu: 112.95,50.71 112.84,90.65 57.71,90.69 57.69,50.66
Board_1-GND on GND2.Cu: 112.93,50.71 112.81,90.64 57.71,90.57 57.75,50.78
Board_2-2V5_3V3 on POWER.Cu: 14.92,30.23 14.99,26.26 20.52,26.34 20.51,28.9 23.11,28.9 23.05,37.78 12.36,37.82 12.22,32.79
Board_2-+1V1 on POWER.Cu: 23.46,19.94 20.19,16.65 20.72,16.23 32.76,16.47 25.91,23.3 25.91,28.7 20.71,28.7 20.71,23.5 23.51,23.5
Board_2-+2V5 on POWER.Cu: 20.71,23.3 23.11,23.3 23.15,20.48 22.85,19.86 21.03,17.98 19.53,16.47 13.88,16.47
Board_2-+2V5 on POWER.Cu: 11.61,32.49 14.73,29.89 14.7,26.32 11.66,26.33
Board_2-+5V on POWER.Cu: 55.32,8.19 0.19,8.19 0.18,14.13 0.18,17.72 1.17,17.24 4.07,14.24 6.11,14.11 6.42,12.8 9.04,10.79 15.9,10.77 17.87,12.75 18.44,16.09 31.6,16.12 39.25,16.15 42.36,26.43 55.36,26.43
Board_2-+5V on POWER.Cu: 55.33,48.15 55.3,23.73 50.98,23.73 51.02,26.74 48.7,26.64 48.68,26.91 48.49,28.62 49.42,29.3 49.42,32.34 51.19,32.45 51.28,36.97 40.05,48.03
Board_2-CM4_3.3V on POWER.Cu: 0.15,38.45 0.2,21.69 0.2,17.93 0.97,17.93 4.79,14.35 5.62,14.38 6.44,14.33 6.5,13.55 7.01,12.99 9.23,11.08 15.43,11.1 18.32,16.18 13.39,16.26 13.41,17.05 20.29,23.4 20.29,26 11.49,26 11.49,38 23.49,38 23.49,29 26.09,29 26.09,23.6 33.23,16.43 38.94,16.54 42.2,26.61 48.22,26.61 48.22,28.97 49.08,29.39 49,32.63 50.49,32.62 50.84,32.9 50.8,36.99 39.39,48.12 0.22,48.21
Board_2-GND on Top: 20.55,40.84 6.05,40.89 6.05,48.14 20.55,48.13
Board_2-GND on GND1.Cu: 55.44,8.21 55.33,48.15 0.2,48.19 0.18,8.16
Board_2-GND on GND2.Cu: 55.42,8.21 55.3,48.14 0.2,48.07 0.24,8.28
Board_3-2V5_3V3 on POWER.Cu: 72.43,30.23 72.5,26.26 78.03,26.34 78.02,28.9 80.62,28.9 80.56,37.78 69.87,37.82 69.73,32.79
Board_3-+1V1 on POWER.Cu: 80.97,19.94 77.7,16.65 78.23,16.23 90.27,16.47 83.42,23.3 83.42,28.7 78.22,28.7 78.22,23.5 81.02,23.5
Board_3-+2V5 on POWER.Cu: 69.12,32.49 72.24,29.89 72.21,26.32 69.17,26.33
Board_3-+2V5 on POWER.Cu: 78.22,23.3 80.62,23.3 80.66,20.48 80.36,19.86 78.54,17.98 77.04,16.47 71.39,16.47
Board_3-+5V on POWER.Cu: 112.84,48.15 112.81,23.73 108.49,23.73 108.53,26.74 106.21,26.64 106.19,26.91 106,28.62 106.93,29.3 106.93,32.34 108.7,32.45 108.79,36.97 97.57,48.03
Board_3-+5V on POWER.Cu: 112.83,8.19 57.7,8.19 57.69,14.13 57.69,17.72 58.68,17.24 61.58,14.24 63.62,14.11 63.93,12.8 66.55,10.79 73.41,10.77 75.38,12.75 75.95,16.09 89.11,16.12 96.76,16.15 99.87,26.43 112.87,26.43
Board_3-CM4_3.3V on POWER.Cu: 57.66,38.45 57.71,21.69 57.71,17.93 58.48,17.93 62.3,14.35 63.13,14.38 63.95,14.33 64.01,13.55 64.52,12.99 66.74,11.08 72.94,11.1 75.83,16.18 70.9,16.26 70.92,17.05 77.8,23.4 77.8,26 69,26 69,38 81,38 81,29 83.6,29 83.6,23.6 90.74,16.43 96.45,16.54 99.72,26.61 105.73,26.61 105.73,28.97 106.59,29.39 106.51,32.63 108,32.62 108.35,32.9 108.31,36.99 96.9,48.12 57.73,48.21
Board_3-GND on Top: 78.06,40.84 63.56,40.89 63.56,48.14 78.06,48.13
Board_3-GND on GND1.Cu: 112.95,8.21 112.84,48.15 57.71,48.19 57.69,8.16
Board_3-GND on GND2.Cu: 112.93,8.21 112.81,48.14 57.71,48.07 57.75,8.28

## Text on the board
B.Silkscreen: USB | SERDES | PCIe | CAM1 | CAM0 | GPDI1 | Tuned (mm) / --------- / SDRAM - 35 / PCIe - 65 / GPDI0 - 20 / GPDI1 - 20 / CSI0 - 32 / CSI1 - 20 / CLK, S5,S7 - 70 | DISP0 | GPDI0 | DISP1 | GND | TX | CLK | RX | +1.1V | +3.3V | +2.5V | 2.5V | 1.1V | 3.3V | 1.35V
User.Comments: V-CUT
F.Silkscreen: <<close for 1.2V | 25MHz | TX | RX | Ethernet | v0.0.4 | SDRAM | FLASH | FPGA | ULX4M-LS | Intergalaktik d.o.o. ULX4M-LS-v004 | Created on 2025-04-15
